# KiCad board EnvKB_HS.kicad_pcb (continued)
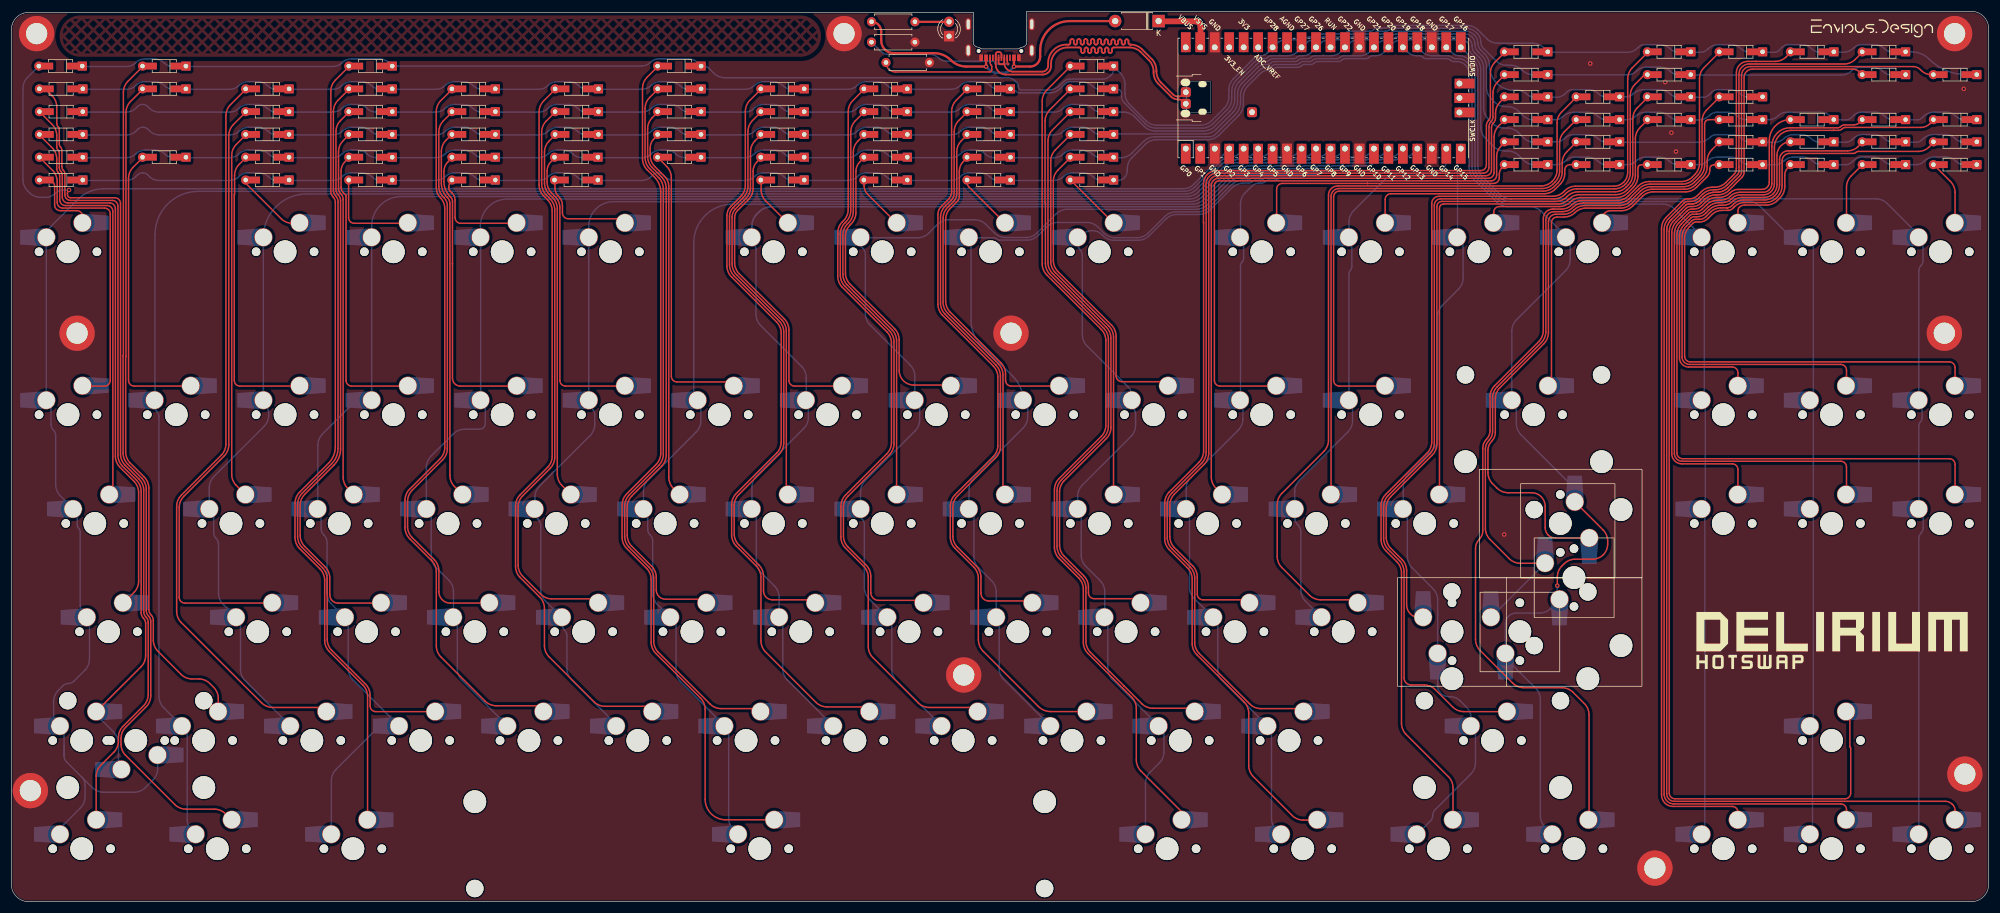
[diagram p0: board, top side]
## Routing (per net, layer and track width the routed paths; a pad name or vN(x,y) marks a point on that pad's centre or on a via; arc(x,y) is an arc through that point) (continued)

## Copper pours and planes (outline as drawn; the poured copper is in the pictures)
GND on Top: 347,0 0,0 0,156.1 347,156.1
GND on Bottom: 347,0 0,0 0,156.1 347,156.1
(no net) on Top: 142.09,148.31 8.46,148.31 8.46,155.57 142.09,155.57

## Text on the board
B.Silkscreen: ANSI BACKSLASH | ISO ENTER | ANSI Left Shift | ANSI ENTER
User.Comments: THIS IS INTENTIONAL
